# Altium PCB RPlan_LB.PcbDoc (part 1 of 5) (continued)
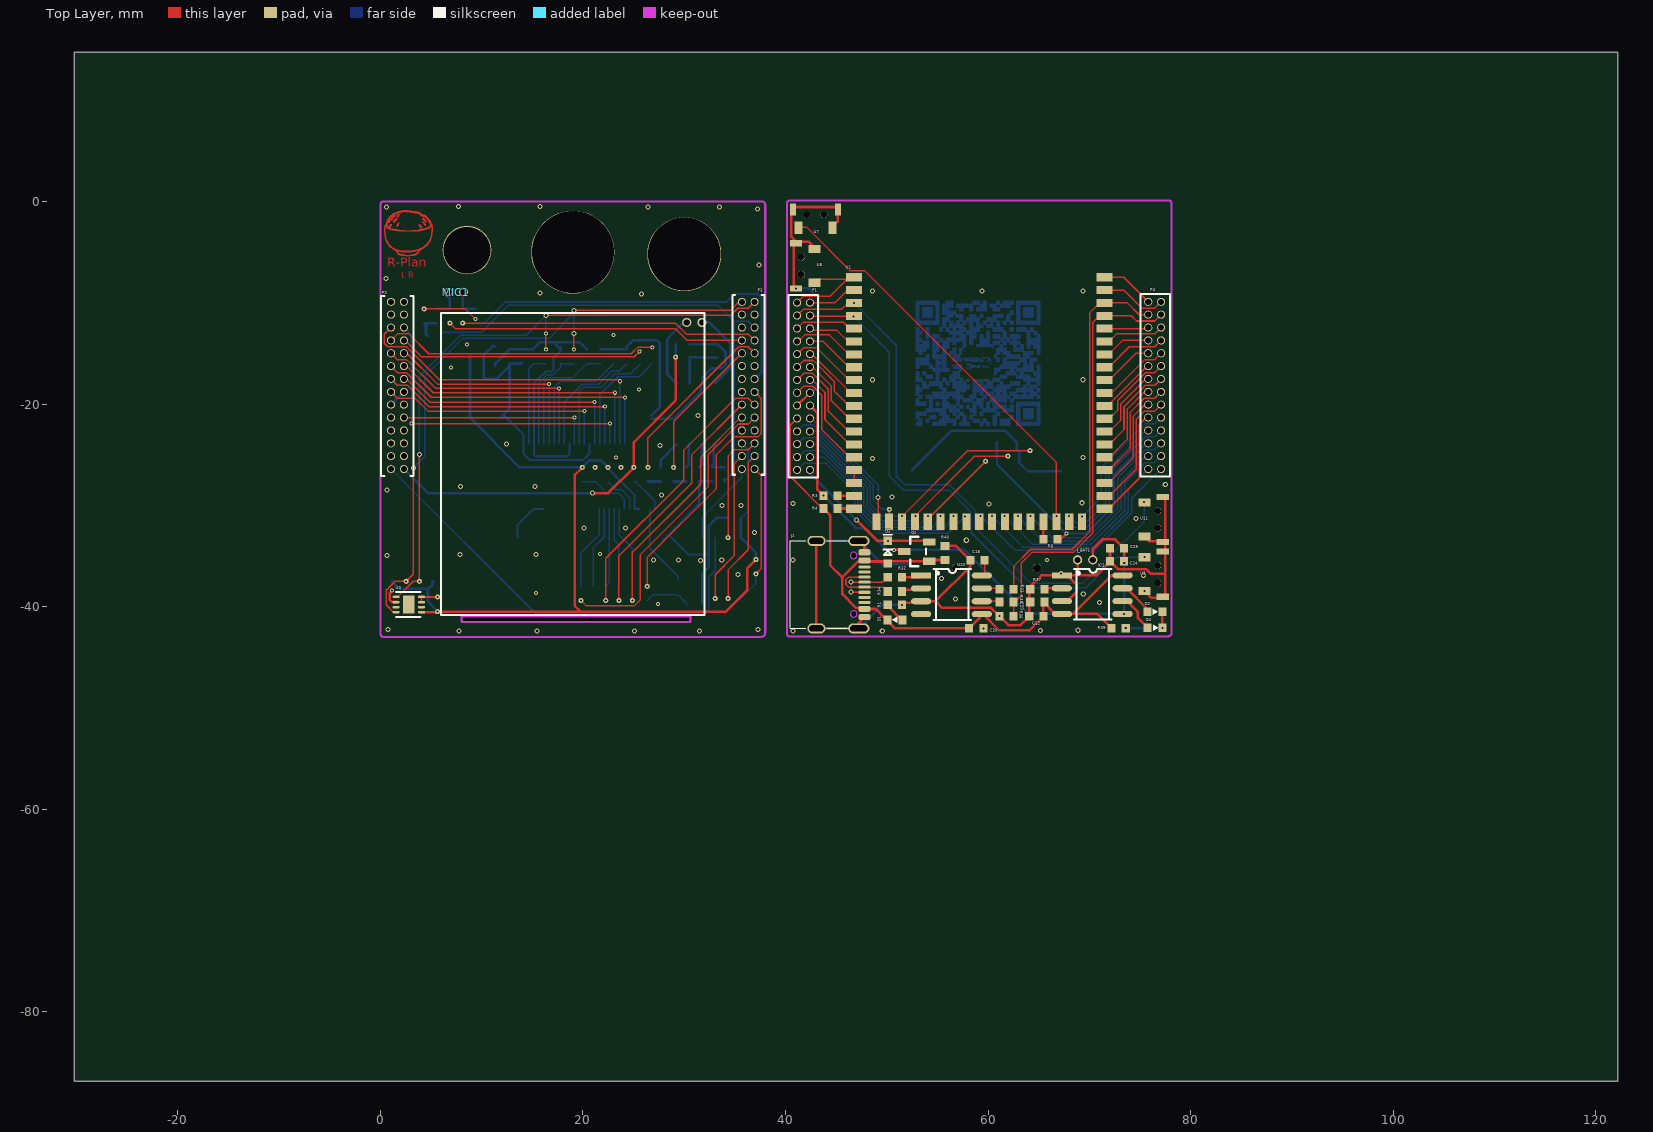
[diagram p0: Top Layer view]
## Nets (pads, with @x,y where several pads share a name; then routed paths per layer and width w, separated by ;. In a path a pad name is that pad's centre, name@x,y a point inside that pad or via, vN(x,y) a via of type N, cw(c..) or ccw(c..) an arc to the next point about the centre after c; other vN are vias at no path point) (continued)
  Bottom Layer w0.2: U4.25@12.05,-21.15 12.25,-21.15 14.15,-23.05 U4.23@14.15,-23.95 14.15,-24.95 14.714,-25.514 20.036,-25.514 20.65,-24.9 U4.10@20.65,-23.95 ; U5.26@13.53,-33.153 13.53,-31.953 15.13,-30.353 U5.24@15.6,-30.353 U5.23@16.1,-30.353 ; U5.25@28.7,-33.153 30.397,-34.85 32.413,-34.85
  Bottom Layer w0.254: P2.17@1.047,-20.066 P2.16@2.317,-18.796 ; IC2.1@11.35,-14.3 11.05,-14.3 10.2,-15.15 10.2,-17.526 11.474,-17.526 C19.2@12.75,-16.25 ; U4.25@12.05,-21.15 12.75,-20.45 C19.2@12.75,-16.25 ; C13.2@13.95,-16 C19.2@12.75,-16 C19.2@12.75,-16.25 ; C16.1@21.734,-14.6 R20.1@23.05,-14.6 C14.1@24.333,-14.6 24.333,-14.317 24.934,-13.716 27.304,-13.716 27.6,-14.012 27.6,-20.3 U4.26@26.75,-21.15 ; U4.26@26.777,-21.457 28.962,-21.457 31.623,-18.796 31.623,-18.122 U6.7@31.788,-17.958 31.788,-17.361 32.668,-16.481 33.673,-16.481 34.075,-16.08 34.075,-14.86 C12.1@33.247,-14.032 33.182,-14.097 C10.2@30.554,-14.097 ; U5.25@27.929,-33.454 31.478,-29.905 C7.2@31.478,-27.624 R11.2@32.716,-27.624 ; U2.4@31.792,-39.67 U2.4@31.792,-39.192 31.792,-36.758 32.413,-36.136 32.413,-34.85 32.413,-32.023 33.195,-31.242 C3.1@34.225,-31.242 ; pad.115@41.05,-8.575 42.325,-8.575 43.283,-9.533 43.283,-18.019 P1.13@42.418,-18.884 ; J1.GND@43.056,-33.516 J1.GND@47.236,-33.516 49.52,-35.8 TF1.10@52.1,-35.8 ; J1.GND@47.236,-42.156 49.555,-39.837 pad.113@51.5,-39.837 ; TF1.10@52.531,-26.535 52.531,-26.453 56.333,-22.651 61.701,-22.651 62.85,-23.8 62.85,-24.478 63.067,-24.695 TF1.6@63.067,-25.14 63.067,-25.782 63.92,-26.635 TF1.10@67.181,-26.635
  other v1: 7.75,-42.4 15.477,-42.4 25.1,-42.4 31.5,-42.4 40.75,-42.4 49.555,-42.4 65.2,-42.35 68.9,-42.336 0.75,-42.25 37.3,-42.25 71,-39.6 56.8,-39.247 69.4,-38.75 55.4,-37.234 75.35,-36.95 35.3,-36.85 31.6,-35.45 26.95,-35.4 29.45,-35.4 33.707,-35.399 40.75,-35.384 0.65,-34.95 7.85,-34.85 15.35,-34.861 57.85,-33.45 36.957,-32.7 20.1,-32.25 24.2,-32.25 74.6,-31.3 33.75,-30 35.602,-30 60.1,-29.862 40.75,-29.828 69.287,-29.75 50.5,-29.2 27.761,-29.002 0.65,-28.5 7.9,-28.151 15.276,-28.124 77.5,-27.95 48.6,-25.359 69.378,-25.3 27.597,-24.088 12.446,-23.964 31.35,-21.15 48.6,-17.6 69.378,-17.6 25.8,-9.142 15.75,-9.036 48.6,-8.85 59.4,-8.85 69.378,-8.85 0.537,-7.618 37.4,-6.25 37.25,-0.737 0.588,-0.55 26.429,-0.543 33.5,-0.543 7.7,-0.5 15.76,-0.5
  other v2: 27.4,-39.75 15.35,-38.642 65.8,-35.399 21.7,-34.817 23.25,-25.3 25.55,-18.55 6.95,-16.4 8.55,-14.11 23.037,-13.179
IN_N: R14.2 U6.4 | length 2.9
  Bottom Layer w0.254: R14.2@27.686,-26.251 27.686,-25.514 U6.4@29.248,-23.952
IN_P: R13.1 U6.3 | length 2.4
  Bottom Layer w0.254: R13.1@30.205,-26.224 30.477,-25.952 30.455,-25.952 30.455,-24.015 U6.3@30.518,-23.952
LINEL: P3.24 P4.5 U1.51 | length 4.4
  Top Layer w0.15: U1.51@71.487,-12.559 75.706,-12.559 P4.5@75.819,-12.446
MCLK: R21.2 U4.12 | length 12.3
  Bottom Layer w0.15: U4.12@19.65,-23.95 19.65,-18.75 20.05,-18.35 21.823,-18.35 23.173,-17 24.7,-17 25.6,-16.1 R21.2@25.6,-16
MIC_N: C6.1 MIC1.2 R7.2 | length 3
  Bottom Layer w0.254: MIC1.2@8.2,-8.95 8.128,-9.022 C6.1@8.128,-10.611 R7.2@9.398,-10.611
MIC_P: C4.1 MIC1.1 R6.1 | length 3
  Bottom Layer w0.254: R6.1@5.558,-10.603 6.85,-10.603 C4.1@6.858,-10.611 6.858,-9.108 MIC1.1@6.7,-8.95
MICBIAS: P3.23 P4.6 R5.1 R12.2 U1.50 | length 55.5
  Top Layer w0.15: U1.50@71.487,-13.829 71.921,-13.829 72.677,-13.073 76.462,-13.073 P4.6@77.089,-12.446
  Bottom Layer w0.15: R5.1@6.035,-13 6.135,-12.9 10,-12.9 12.669,-10.231 33.327,-10.231 34.925,-11.829 34.925,-26.677 R12.2@33.978,-27.624 ; 34.925,-11.821 36.332,-11.821 P3.23@36.957,-12.446
  Bottom Layer w0.254: R12.2@33.978,-27.624 R12.2@33.978,-27.449
MICLN: C6.2 P3.21 P4.8 pad.60 U1.48 | length 36.2
  Top Layer w0.15: pad.60@8.128,-12.011 8.149,-12.032 29.146,-12.032 30.205,-13.091 36.332,-13.091 P3.21@36.957,-13.716 ; U1.48@71.487,-16.369 71.931,-16.369 73.95,-14.35 76.455,-14.35 P4.8@77.089,-13.716
MICLP: C4.2 P3.22 P4.7 pad.59 U1.49 | length 34.4
  Top Layer w0.15: pad.59@6.858,-12.011 7.403,-12.556 29.128,-12.556 30.288,-13.716 P3.22@35.687,-13.716 ; U1.49@71.487,-15.099 71.901,-15.099 73.284,-13.716 P4.7@75.819,-13.716
MUTE: R11.1 R12.1 U6.1 | length 3.7
  Bottom Layer w0.254: U6.1@33.058,-23.952 32.922,-24.088 32.922,-25.908 32.716,-26.113 R11.1@32.716,-26.224 R12.1@33.978,-26.224
NetC2_1: C2.1 R5.2 R6.2 | length 2.6
  Bottom Layer w0.254: R5.2@4.65,-13.25 4.5,-13.1 4.5,-12.185 C2.1@4.318,-12.003 R6.2@5.558,-12.003
NetC7_1: C7.1 U6.2 | length 2.9
  Bottom Layer w0.254: C7.1@31.478,-26.224 31.75,-25.952 31.75,-23.99 U6.2@31.788,-23.952 U6.2@31.788,-24.454
NetC8_1: C8.1 R13.2 | length 1.3
  Bottom Layer w0.254: C8.1@28.956,-27.651 30.178,-27.651 R13.2@30.205,-27.624
NetC9_1: C9.1 R14.1 | length 1.3
  Bottom Layer w0.254: C9.1@26.416,-27.651 R14.1@27.686,-27.651
NetC15_2: C15.2 R31.2 U5.7 | length 5.8
  Bottom Layer w0.15: R31.2@19.933,-27.651 C15.2@21.209,-27.651 22.387,-28.829 23.529,-28.829 24.1,-29.4 U5.7@24.1,-30.353
NetC18_1: C18.1 U10.8 | length 1.6
  Top Layer w0.15: U10.8@59.385,-36.931 59.655,-36.661 C18.1@59.655,-35.436
NetD1_2: D1.2 R1.2 | length 2
  Top Layer w0.254: R1.2@50.1,-39.964 50.103,-39.964 D1.2@51.5,-41.361
NetD2_1: D2.1 D4.1 pad.55 pad.56 R39.1 | length 5.1
  Top Layer w0.254: pad.56@77.22,-42.123 D2.1@77.22,-40.655
  Bottom Layer w0.254: pad.55@73.598,-42.123 pad.56@77.22,-42.123
NetD2_2: D2.2 IC1.7 | length 3.7
  Top Layer w0.254: IC1.7@73.29,-38.186 73.665,-38.186 75.82,-40.341 D2.2@75.82,-40.655
NetD4_2: D4.2 IC1.6 | length 4
  Top Layer w0.254: IC1.6@73.29,-39.456 73.724,-39.456 74.803,-40.535 74.803,-41.106 D4.2@75.82,-42.123
NetIC1_2: IC1.2 R37.1 | length 1.9
  Top Layer w0.254: R37.1@65.405,-38.186 IC1.2@67.296,-38.186
NetQ1_1: Q1.1 R23.1 | length 4.6
  Bottom Layer w0.15: R23.1@26.35,-39.4 26.9,-38.85 29.4,-38.85 Q1.1@30.35,-39.8
NetQ1_3: Q1.3 U5.2 | length 8.1
  Bottom Layer w0.15: U5.2@26.6,-30.353 26.6,-34.23 29.4,-37.03 Q1.3@29.4,-37.3
NetR3_1: R3.1 U1.18 | length 1.6
  Top Layer w0.254: R3.1@45.15,-29.042 45.177,-29.069 U1.18@46.767,-29.069
NetR4_1: R4.1 U1.19 | length 1.6
  Top Layer w0.254: R4.1@45.15,-30.312 46.74,-30.312 U1.19@46.767,-30.339
NetR15_1: R15.1 U5.1 | length 3.7
  Bottom Layer w0.15: R15.1@25.019,-27.651 25.191,-27.651 27.1,-29.56 U5.1@27.1,-30.353
  Bottom Layer w0.2: R15.1@25.191,-27.651 R15.1@25.227,-27.651
NetR16_1: R16.1 U5.6 | length 3.9
  Bottom Layer w0.15: R16.1@22.479,-27.651 22.479,-27.702 23.227,-28.45 23.8,-28.45 24.6,-29.25 U5.6@24.6,-30.353
NetR17_2: R17.2 U5.12 | length 8.4
  Bottom Layer w0.15: R17.2@19.8,-38 19.8,-34.678 21.6,-32.878 U5.12@21.6,-30.353
NetR18_2: R18.2 U5.11 | length 8.1
  Bottom Layer w0.15: R18.2@21,-38 21,-34.212 22.1,-33.112 U5.11@22.1,-30.353
NetR24_2: R24.2 U5.10 | length 8
  Bottom Layer w0.15: R24.2@22.13,-37.88 R24.2@22.25,-38 22.6,-37.65 U5.10@22.6,-30.353
NetR26_2: R26.2 U5.9 | length 7.8
  Bottom Layer w0.15: U5.9@23.1,-30.353 23.1,-33.449 23.55,-33.899 R26.2@23.55,-38
NetR28_2: R28.2 U5.8 | length 8.2
  Bottom Layer w0.15: U5.8@23.6,-30.353 23.6,-32.95 24.873,-34.223 R28.2@24.873,-38
NetR32_1: R32.1 U10.1 | length 2
  Top Layer w0.254: R32.1@51.5,-37.086 53.236,-37.086 U10.1@53.391,-36.931
NetR33_2: R33.2 U10.7 | length 2.1
  Top Layer w0.15: U10.7@59.385,-38.201 61.53,-38.201
NetR34_1: R34.1 U10.2 | length 2
  Top Layer w0.254: R34.1@51.5,-38.511 51.689,-38.322 53.27,-38.322 U10.2@53.391,-38.201
NetR35_2: R35.2 U10.6 | length 2.2
  Top Layer w0.15: U10.6@59.385,-39.471 61.437,-39.471 61.53,-39.564
P0: P3.28 P4.1 pad.104 pad.122 R10.1 R30.1 U1.55 U3.4 | length 69.9
  Top Layer w0.15: U3.4@1.7,-40.55 1.3,-40.55 0.575,-39.825 0.575,-38.393 1.468,-37.5 pad.104@2.55,-37.5 3.253,-36.797 v1(3.253,-26.3) ; pad.122@19.1,-14.6 v1(19.1,-13.05) ; v1(19.1,-10.75) 34.572,-10.75 35.416,-9.906 P3.28@35.687,-9.906 ; U1.55@71.487,-7.479 73.392,-7.479 P4.1@75.819,-9.906
  Bottom Layer w0.15: v1(3.253,-26.3) 4.398,-25.155 4.398,-17.233 8.106,-13.525 16.692,-13.525 v1@19.1,-10.978 ; v1(19.1,-13.05) v1@19.1,-10.978 ; v1@19.1,-10.978 19.106,-10.971 v1(19.1,-10.75) v1@19.1,-10.978
P1: P3.27 P4.2 pad.103 pad.125 R9.1 R29.1 U1.54 U3.1 | length 69.2
  Top Layer w0.15: U3.1@1.7,-39.05 3.25,-37.5 pad.103@3.85,-37.5 v1(3.85,-25) ; v1(16.345,-11.256) 34.576,-11.256 35.291,-10.541 36.322,-10.541 P3.27@36.957,-9.906 ; pad.125@16.35,-14.6 v2(16.35,-13.05) ; U1.54@71.487,-8.749 73.399,-8.749 75.2,-10.55 76.445,-10.55 P4.2@77.089,-9.906
  Bottom Layer w0.15: v1(3.85,-25) 3.85,-17.25 7.9,-13.2 14.401,-13.2 v1(16.345,-11.256) 16.345,-13.045 v2(16.35,-13.05)
P2: P3.12 P4.17 pad.72 R26.1 U1.39 | length 34.3
  Top Layer w0.15: pad.72@23.55,-39.4 23.55,-34.991 30.763,-27.778 30.763,-24.99 P3.12@35.687,-20.066 ; U1.39@71.487,-27.799 71.901,-27.799 74.323,-25.377 74.323,-21.223 75.481,-20.066 P4.17@75.819,-20.066
P3: P3.10 P4.19 pad.71 R28.1 U1.37 | length 33.8
  Top Layer w0.15: pad.71@24.873,-39.4 24.873,-34.671 31.623,-27.921 31.623,-25.273 35.56,-21.336 P3.10@35.687,-21.336 ; U1.37@71.487,-30.339 71.911,-30.339 74.923,-27.327 74.923,-22.026 75.614,-21.336 P4.19@75.819,-21.336
P4: P3.11 P4.18 pad.73 R24.1 U1.38 | length 39.6
  Top Layer w0.15: pad.73@22.25,-39.4 22.25,-35.238 29.972,-27.516 29.972,-24.53 35.071,-19.431 36.322,-19.431 P3.11@36.957,-20.066 ; U1.38@71.487,-29.069 71.976,-29.069 74.623,-26.421 74.623,-21.526 75.45,-20.7 76.455,-20.7 P4.18@77.089,-20.066
P5: P3.9 P4.20 pad.74 pad.87 R17.1 U1.36 | length 43.1
  Top Layer w0.15: pad.74@19.8,-39.4 20.3,-39.9 25.1,-39.9 25.671,-39.329 25.671,-34.861 32.391,-28.141 32.391,-24.952 35.372,-21.971 36.322,-21.971 P3.9@36.957,-21.336
  Bottom Layer w0.15: pad.87@69.3,-31.097 71.2,-29.197 71.2,-26.25 75.487,-21.963 76.462,-21.963 P4.20@77.089,-21.336
P6: P3.13 P4.16 pad.132 R23.2 U1.40 | length 36.8
  Top Layer w0.15: pad.132@26.35,-38 26.35,-35.167 33.182,-28.335 33.182,-24.984 34.925,-23.241 37.28,-23.241 37.609,-22.912 37.609,-19.448 P3.13@36.957,-18.796 ; U1.40@71.882,-26.502 71.514,-26.502 U1.40@71.487,-26.529 71.924,-26.529 74.023,-24.429 74.023,-20.827 75.427,-19.423 76.462,-19.423 P4.16@77.089,-18.796
P7: P3.14 P4.15 U1.41 | length 9.5
  Top Layer w0.15: U1.41@72.136,-24.978 71.768,-24.978 U1.41@71.487,-25.259 71.98,-25.259 73.724,-23.515 73.724,-20.527 75.454,-18.796 P4.15@75.819,-18.796
P10: P3.25 P4.4 R35.1 R36.2 U1.52 | length 42.2
  Top Layer w0.15: R36.2@62.517,-40.939 R35.1@62.517,-39.542 62.636,-39.542 63.287,-38.891 63.287,-35.694 64.332,-34.649 68.445,-34.649 70.326,-32.768 70.326,-11.983 71.02,-11.289 U1.52@71.487,-11.289 74.139,-11.289 74.651,-11.801 76.464,-11.801 P4.4@77.089,-11.176
P11: P3.26 P4.3 R33.1 U1.53 | length 39.5
  Top Layer w0.15: R33.1@62.517,-38.272 62.517,-36.04 64.208,-34.349 68.321,-34.349 70.026,-32.644 70.026,-11.013 71.02,-10.019 U1.53@71.487,-10.019 73.769,-10.019 74.926,-11.176 P4.3@75.819,-11.176
P12: P1.26 P2.3 pad.83 pad.85 U1.3 U11.2 | length 59.3
  Top Layer w0.15: P1.26@41.148,-11.264 41.777,-10.635 45.542,-10.635 46.158,-10.019 pad.85@46.767,-10.019
  Bottom Layer w0.15: pad.85@46.767,-10.019 50.94,-14.192 50.94,-27.126 51.799,-27.985 56.229,-27.985 58.7,-30.456 58.7,-32.167 64.246,-37.713 69.334,-37.713 75.408,-31.639 pad.83@75.408,-29.653
P13: P1.25 P2.4 pad.84 pad.86 U1.4 U9.2 | length 53.7
  Top Layer w0.15: P1.25@42.418,-11.264 42.502,-11.348 pad.86@46.704,-11.348
  Bottom Layer w0.15: pad.86@46.704,-11.348 50.237,-14.881 50.237,-27.103 51.627,-28.493 56.139,-28.493 58.302,-30.656 58.302,-32.649 63.798,-38.145 69.668,-38.145 72.688,-35.125 pad.84@75.45,-35.125
P14: P1.6 P2.23 pad.41 pad.81 TF1.5 U1.23 | length 28.9
  Top Layer w0.15: U1.23@52.777,-31.619 52.777,-31.056 58.693,-25.14 pad.81@61.967,-25.14 pad.81@61.851,-25.044
  Bottom Layer w0.15: P1.6@41.148,-23.964 41.793,-23.319 43.157,-23.319 48.05,-28.212 48.05,-29.983 49.616,-31.549 52.357,-31.549 pad.41@52.832,-31.074
P15: P1.4 P2.25 pad.43 U1.25 | length 19.2
  Bottom Layer w0.15: P1.4@41.148,-25.234 41.316,-25.234 41.95,-24.6 43.59,-24.6 47.424,-28.434 47.424,-30.206 49.367,-32.149 54.563,-32.149 54.569,-32.143 pad.43@55.317,-31.074
P16: P1.5 P2.24 pad.42 pad.82 TF1.3 U1.24 | length 24.2
  Top Layer w0.15: pad.42@54.048,-31.074 54.343,-31.074 pad.82@59.767,-25.65
  Bottom Layer w0.15: P1.5@42.418,-23.964 43.378,-23.964 47.724,-28.31 47.724,-30.081 49.492,-31.849 53.273,-31.849 pad.42@54.048,-31.074
P17: P1.7 P2.22 pad.40 pad.80 TF1.7 U1.22 | length 29.5
  Top Layer w0.15: U1.22@51.507,-31.619 51.507,-31.097 58.004,-24.6 pad.80@64.15,-24.6
  Bottom Layer w0.15: P1.7@42.418,-22.694 42.956,-22.694 48.35,-28.088 48.35,-29.859 49.565,-31.074 pad.40@51.507,-31.074
P18: P1.3 P2.26 pad.44 U1.26 | length 18.9
  Bottom Layer w0.15: P1.3@42.418,-25.234 43.799,-25.234 47.122,-28.556 47.122,-30.271 47.124,-30.274 47.124,-30.33 49.265,-32.471 55.543,-32.471 pad.44@56.587,-31.074
P19: P1.8 P2.21 pad.39 U1.21 | length 14.9
  Top Layer w0.15: U1.21@50.237,-31.619 50.25,-31.606 pad.39@50.25,-30.4
  Bottom Layer w0.15: P1.8@41.148,-22.694 41.783,-22.059 42.746,-22.059 48.65,-27.963 48.65,-29.487 49.563,-30.4 pad.39@50.25,-30.4
P20: P3.5 P4.24 pad.50 pad.65 U1.32 U2.7 | length 30.6
  Top Layer w0.15: pad.65@34.332,-33.198 34.332,-25.128 34.949,-24.511 36.322,-24.511 P3.5@36.957,-23.876
  Bottom Layer w0.15: pad.50@64.207,-31.074 66.358,-33.225 69.825,-33.225 72.798,-30.252 72.798,-27.252 75.55,-24.5 75.559,-24.5 75.56,-24.501 76.464,-24.501 P4.24@77.089,-23.876
P21: P3.4 P4.25 pad.49 pad.69 U1.31 U2.3 | length 34.1
  Top Layer w0.15: pad.69@33.062,-39.192 33.062,-36.846 34.925,-34.982 34.925,-25.908 P3.4@35.687,-25.146
  Bottom Layer w0.15: pad.49@62.937,-31.074 65.388,-33.525 69.985,-33.525 73.15,-30.36 73.15,-27.55 75.554,-25.146 P4.25@75.819,-25.146
P22: P3.3 P4.26 pad.48 pad.68 U1.30 U2.2 | length 36.9
  Top Layer w0.15: pad.68@34.332,-39.192 34.332,-36.38 36.319,-34.392 36.319,-25.784 P3.3@36.957,-25.146
  Bottom Layer w0.15: pad.48@61.633,-31.074 64.384,-33.825 70.187,-33.825 73.5,-30.512 73.5,-27.814 75.523,-25.791 76.078,-25.791 76.087,-25.8 76.435,-25.8 P4.26@77.089,-25.146
P23: P3.2 P4.27 pad.47 U1.29 U2.5 | length 29.6
  Bottom Layer w0.15: U2.5@31.792,-33.198 31.792,-31.142 35.687,-27.247 P3.2@35.687,-26.416 ; pad.47@60.397,-31.074 63.448,-34.125 70.355,-34.125 73.85,-30.63 73.85,-28.385 P4.27@75.819,-26.416
P24: P1.2 P2.27 pad.45 U1.27 U2.6 | length 66.2
  Bottom Layer w0.15: P2.27@1.047,-26.416 15.281,-40.65 32.026,-40.65 32.434,-40.243 32.434,-37.046 33.062,-36.418 33.062,-35.542 33.059,-35.539 33.059,-33.201 U2.6@33.062,-33.198 ; P1.2@41.148,-26.504 41.793,-25.859 44,-25.859 46.822,-28.68 46.822,-30.452 49.146,-32.776 56.032,-32.776 pad.45@57.71,-31.097
P25: P1.27 P2.2 U1.2 | length 5.3
  Top Layer w0.15: P1.27@42.418,-9.994 44.9,-9.994 46.145,-8.749 U1.2@46.767,-8.749 U1.2@46.486,-8.468
P26: P3.1 P4.28 pad.46 pad.70 R2.2 U1.28 U2.1 | length 37.2
  Top Layer w0.15: P3.1@36.957,-26.416 37.609,-27.068 37.609,-36.236 pad.70@37.084,-36.761
  Bottom Layer w0.15: U2.1@35.602,-39.192 37.084,-37.71 pad.70@37.084,-36.761 ; pad.46@59.277,-31.074 62.628,-34.425 70.528,-34.425 74.2,-30.753 74.2,-29.305 P4.28@77.089,-26.416
P27: P1.21 P2.8 pad.126 R21.1 U1.8 | length 29.1
  Top Layer w0.15: P2.8@2.317,-13.716 2.455,-13.716 4.064,-15.325 25.075,-15.325 pad.126@25.6,-14.8 ; P1.21@42.418,-13.804 43.711,-13.804 U1.8@46.276,-16.369
P28: P1.28 P2.1 U1.1 U8.2 | length 10.3
  Top Layer w0.15: P1.28@41.148,-9.994 41.783,-9.359 44.402,-9.359 U1.1@46.096,-7.665 ; U8.2@42.829,-7.857 43.021,-7.665 U1.1@46.096,-7.665 ; U1.1@46.767,-7.229 U1.1@46.767,-7.479 46.581,-7.665 U1.1@46.096,-7.665
P29: P1.22 P2.7 pad.127 R22.2 U1.7 | length 33.8
  Top Layer w0.15: P2.7@1.047,-13.716 1.692,-13.071 2.821,-13.071 4.775,-15.025 24.774,-15.025 25.424,-14.375 26.825,-14.375 pad.127@26.85,-14.4 ; P1.22@41.148,-13.804 41.253,-13.804 41.878,-13.179 44.356,-13.179 46.276,-15.099 U1.7@46.767,-15.099
P30: P1.20 P2.9 U1.9 U4.16 | length 30.7
  Top Layer w0.15: P2.9@1.047,-14.986 1.672,-15.611 2.588,-15.611 5.427,-18.45 v2(17.65,-18.45) ; P1.20@41.148,-15.074 41.8,-14.422 42.152,-14.422 42.159,-14.429 42.677,-14.429 42.684,-14.422 43.049,-14.422 46.266,-17.639 U1.9@46.767,-17.639
  Bottom Layer w0.15: U4.16@17.65,-23.85 v2(17.65,-18.45)
P31: P1.19 P2.10 U1.10 U4.18 | length 27.5
  Top Layer w0.15: P2.10@2.317,-14.986 2.61,-14.986 5.649,-18.025 v2(16.65,-18.025) ; P1.19@42.418,-15.074 42.624,-15.074 46.459,-18.909 U1.10@46.767,-18.909
  Bottom Layer w0.15: U4.18@16.65,-23.95 v2(16.65,-18.025)
P32: P1.23 P2.6 U1.6 U4.6 | length 36.6
  Top Layer w0.15: v2(3.05,-21.927) v2(22.65,-21.927) ; P1.23@42.418,-12.534 42.584,-12.7 45.046,-12.7 46.175,-13.829 U1.6@46.767,-13.829
  Bottom Layer w0.15: P2.6@2.577,-12.446 P2.6@2.317,-12.446 3.05,-13.179 v2(3.05,-21.927) ; U4.6@22.63,-23.93 U4.6@22.65,-23.95 v2(22.65,-21.927)
P33: P1.24 P2.5 U1.5 U4.4 | length 39
  Top Layer w0.15: P2.5@1.047,-12.446 0.382,-13.111 0.382,-14.007 0.716,-14.341 2.569,-14.341 5.828,-17.6 23.5,-17.6 v2(23.65,-17.75) ; P1.24@41.148,-12.534 41.773,-11.909 45.696,-11.909 46.106,-12.319 46.527,-12.319 U1.5@46.767,-12.559
  Bottom Layer w0.15: U4.4@23.65,-23.95 v2(23.65,-17.75)
P34: P1.18 P2.11 U1.11 U4.3 | length 37.3
  Top Layer w0.15: P2.11@1.047,-16.256 1.691,-16.9 2.582,-16.9 5.02,-19.339 v2(24.139,-19.339) ; P1.18@41.148,-16.344 41.792,-15.7 42.759,-15.7 44.8,-17.741 44.8,-18.696 46.283,-20.179 U1.11@46.767,-20.179
  Bottom Layer w0.15: v2(24.139,-19.339) 24.139,-23.939 U4.3@24.15,-23.95
P35: P1.17 P2.12 U1.12 U4.5 | length 34.3
  Top Layer w0.15: P2.12@2.317,-16.256 2.587,-16.256 5.215,-18.884 v2(23.15,-18.884) ; P1.17@42.418,-16.344 42.666,-16.344 44.5,-18.178 44.5,-19.633 46.316,-21.449 U1.12@46.767,-21.449
  Bottom Layer w0.15: U4.5@23.15,-23.95 v2(23.15,-18.884)
P36: P1.16 P2.13 U1.13 U4.7 | length 35.1
  Top Layer w0.15: P2.13@1.047,-17.526 1.672,-18.151 2.684,-18.151 4.783,-20.25 v2(22.154,-20.25) ; P1.16@41.148,-17.614 41.167,-17.614 41.8,-16.981 42.696,-16.981 44.2,-18.485 44.2,-20.67 46.249,-22.719 U1.13@46.382,-22.719
  Bottom Layer w0.15: U4.7@22.15,-23.95 22.15,-20.254 v2(22.154,-20.25)
P37: P1.15 P2.14 U1.14 U4.9 | length 32.7
  Top Layer w0.15: P2.14@2.317,-17.526 2.597,-17.526 4.871,-19.8 v2(21.15,-19.8) ; P1.15@42.418,-17.614 42.664,-17.614 43.9,-18.85 43.9,-21.543 46.346,-23.989 U1.14@46.767,-23.989
  Bottom Layer w0.15: P2.14@2.317,-17.526 P2.14@2.515,-17.526 ; U4.9@21.15,-23.95 v2(21.15,-19.8)
P38: P1.14 P2.15 U1.15 U4.11 | length 34.3
  Top Layer w0.15: P2.15@1.047,-18.796 1.672,-19.421 3.42,-19.421 4.699,-20.7 v2(20.15,-20.7) ; P1.14@41.148,-18.884 41.782,-18.25 42.687,-18.25 43.561,-19.124 43.561,-22.511 46.309,-25.259 U1.15@46.767,-25.259 U1.15@46.486,-24.978
  Bottom Layer w0.15: U4.11@20.15,-23.95 v2(20.15,-20.7)
P39: P1.9 P2.20 U1.20 U4.13 | length 32.6
  Top Layer w0.15: P2.20@2.317,-21.336 v2(19.15,-21.336) ; U1.20@48.967,-31.619 48.914,-31.566 49.15,-31.329 v1(49.15,-29.25)
  Bottom Layer w0.15: U4.13@19.15,-23.95 v2(19.15,-21.336) ; P1.9@42.418,-21.424 42.574,-21.424 49.15,-28 v1(49.15,-29.25)
PCLK: R22.1 U4.8 | length 11.3
  Bottom Layer w0.15: U4.8@21.65,-23.95 21.65,-19.08 23.43,-17.3 25.55,-17.3 R22.1@26.85,-16
SCL: R25.1 R30.2 U4.20 | length 10.5
  Bottom Layer w0.15: U4.20@15.65,-23.95 15.65,-17.91 16.435,-17.125 17.007,-17.125 17.8,-16.332 R25.1@17.8,-16 R30.2@19.1,-16
SDA: R27.1 R29.2 U4.22 | length 9.4
  Bottom Layer w0.15: U4.22@14.65,-23.95 14.65,-16.5 R27.1@15.15,-16 R29.2@16.35,-16
SPK_VDD: C11.1 C12.2 L1.2 U6.6 | length 5.3
  Bottom Layer w0.254: U6.6@30.518,-17.958 30.554,-17.921 L1.2@30.554,-15.367 31.785,-15.367 C11.1@31.85,-15.432 C12.2@33.247,-15.432
USBN: J1.A7 J1.B7 R34.2 | length 6.8
  Top Layer w0.15: J1.B7@47.801,-37.086 46.212,-37.086 45.974,-37.324 45.974,-37.84 46.22,-38.086 J1.A7@47.801,-38.086 49.675,-38.086 R34.2@50.1,-38.511
USBP: J1.A6 J1.B6 R32.2 | length 6.1
  Top Layer w0.15: v1(46.482,-38.563) 46.505,-38.586 J1.B6@47.801,-38.586 ; v1(46.482,-37.586) J1.A6@47.801,-37.586 49.6,-37.586 R32.2@50.1,-37.086
  Bottom Layer w0.15: v1(46.482,-38.563) v1(46.482,-37.586)
V1.8: C14.2 U4.15 | length 11.9
  Bottom Layer w0.15: U4.15@18.15,-23.95 18.15,-19.826 19.926,-18.05 21.541,-18.05 22.891,-16.7 23.633,-16.7 C14.2@24.333,-16
V2.8: C13.1 C19.1 IC2.2 R19.2 R25.2 R27.2 U4.14 U4.21 | length 28.1
  Bottom Layer w0.2: R25.2@17.8,-14.6 17.8,-14.741 17.082,-15.459 17.082,-16.59 16.872,-16.8 16.3,-16.8 15.15,-17.95 U4.21@15.15,-23.95 15.15,-25.005 15.3,-25.155 18.427,-25.155 18.65,-24.932 U4.14@18.65,-23.95
  Bottom Layer w0.254: IC2.2@11.35,-16.2 11.35,-16 C19.1@12.75,-14.6 C13.1@13.95,-14.6 R27.2@15.15,-14.6 15.15,-14.482 15.75,-13.882 17.082,-13.882 ; R25.2@17.8,-14.435 R25.2@17.8,-14.6 17.082,-13.882 ; R19.2@20.4,-14.6 19.682,-13.882 17.082,-13.882
VBAT: C24.1 C25.2 IC1.5 J_BAT1.2 P1.11 P2.18 pad.92 pad.93 pad.95 Q2.3 R3.2 | length 56.3
  Top Layer w0.254: P1.11@42.418,-20.154 43.15,-20.886 43.15,-28.442 pad.95@43.75,-29.042 ; v2(50.7,-34.392) 51.527,-34.392 Q2.3@51.709,-34.574 ; J_BAT1.2@70.346,-35.384 70.346,-34.314 71.3,-33.36 72.555,-33.36 C25.2@73.444,-34.249 C24.1@73.444,-35.519
  Bottom Layer w0.254: pad.95@43.75,-29.042 46.958,-32.25 47.9,-32.25 50.042,-34.392 v2(50.7,-34.392) 57.686,-34.392 64.02,-40.726 pad.93@73.444,-40.726 73.444,-35.7 pad.92@73.45,-35.694
VCOM: P3.18 P4.11 U1.45 | length 6
  Top Layer w0.15: U1.45@71.487,-20.179 71.796,-20.179 75.719,-16.256 P4.11@75.819,-16.256
VDD: C1.1 C3.2 C5.1 C17.1 C21.1 IC2.3 P3.6 P4.23 pad.76 pad.77 pad.79 pad.105 R2.1 R8.2 R9.2 R10.2 R16.2 R31.1 TF1.4 U2.8 U3.5 U5.4 U5.5 | length 126
  Top Layer w0.2: R8.2@66.867,-33.36 67.19,-33.36 v2(67.75,-32.8)
  Top Layer w0.254: U3.5@4.05,-40.55 5.55,-40.55 pad.105@5.65,-40.5 19.758,-40.5 ; pad.77@19.933,-26.251 19.19,-26.994 19.19,-39.932 19.758,-40.5 ; pad.79@37.084,-35.361 36.244,-36.201 36.244,-38.364 34.108,-40.5 19.758,-40.5
  Bottom Layer w0.15: C3.2@35.602,-31.265 C3.2@35.625,-31.242 36.319,-30.548 36.319,-24.508 P3.6@35.687,-23.876
  Bottom Layer w0.2: pad.76@22.479,-26.251 22.479,-26.381 C17.1@23.749,-27.651 25.1,-29.002 U5.5@25.1,-30.353 U5.4@25.6,-30.353 ; TF1.4@60.867,-25.35 60.867,-25.917 v2(67.75,-32.8) 69.684,-32.8 69.817,-32.667
  Bottom Layer w0.254: R10.2@1.15,-37.45 R10.2@1.15,-37.5 1.9,-38.25 4.7,-38.25 ; R9.2@5.25,-37.5 5.138,-37.613 5.138,-37.863 4.7,-38.25 ; pad.105@5.65,-40.5 4.7,-39.5 4.7,-38.25 ; IC2.3@8.85,-15.25 8.85,-21.351 13.75,-26.251 pad.77@19.933,-26.251 20.61,-25.574 21.802,-25.574 pad.76@22.479,-26.251 ; C3.2@35.602,-31.265 U2.8@35.602,-33.198 37.084,-34.68 pad.79@37.084,-35.361 ; TF1.4@60.867,-25.35 TF1.4@60.867,-25.14 C1.1@60.867,-23.754 ; 69.817,-32.667 72.4,-30.084 72.4,-27.052 75.576,-23.876 P4.23@75.819,-23.876
VDDRAM: R8.1 U1.33 | length 1.7
  Top Layer w0.254: R8.1@65.467,-33.36 65.467,-31.629 U1.33@65.477,-31.619
VIO: P3.8 P4.21 pad.53 U1.35 | length 13.9
  Bottom Layer w0.15: pad.53@68.212,-31.074 pad.53@68.017,-31.074 68.65,-31.707 69.693,-31.707 71.6,-29.8 71.6,-26.6 75.594,-22.606 P4.21@75.819,-22.606
VO_N: J_SPK1.2 U6.5 | length 7.5
  Bottom Layer w0.254: U6.5@29.248,-17.958 28.309,-17.019 28.309,-13.601 30.099,-11.811 J_SPK1.2@30.35,-11.811
VO_P: J_SPK1.1 U6.8 | length 8.2
  Bottom Layer w0.254: J_SPK1.1@31.85,-11.811 31.977,-11.938 32.487,-11.938 34.534,-13.985 34.534,-16.481 U6.8@33.058,-17.958
VPWR: C10.1 D3.2 L1.1 P1.1 P2.28 pad.88 pad.89 pad.90 Q2.2 R15.2 | length 53.6
  Top Layer w0.254: v1(20.955,-28.8) 22.47,-28.8 pad.89@25.019,-26.251 25.019,-23.774 29.154,-19.639 pad.88@29.154,-15.367 ; v1(47.005,-31.455) 49.065,-33.515 pad.90@50.1,-33.515 54.1,-33.515 Q2.2@54.209,-33.624
  Bottom Layer w0.254: P2.28@2.317,-26.416 4.701,-28.8 v1(20.955,-28.8) ; pad.88@29.154,-15.367 C10.1@29.154,-14.097 ; P1.1@42.418,-26.504 42.418,-26.868 v1(47.005,-31.455)